# Allegro board TDI_KU5P_QSFP28_CXP_V001-20240805_1841.brd (continued)
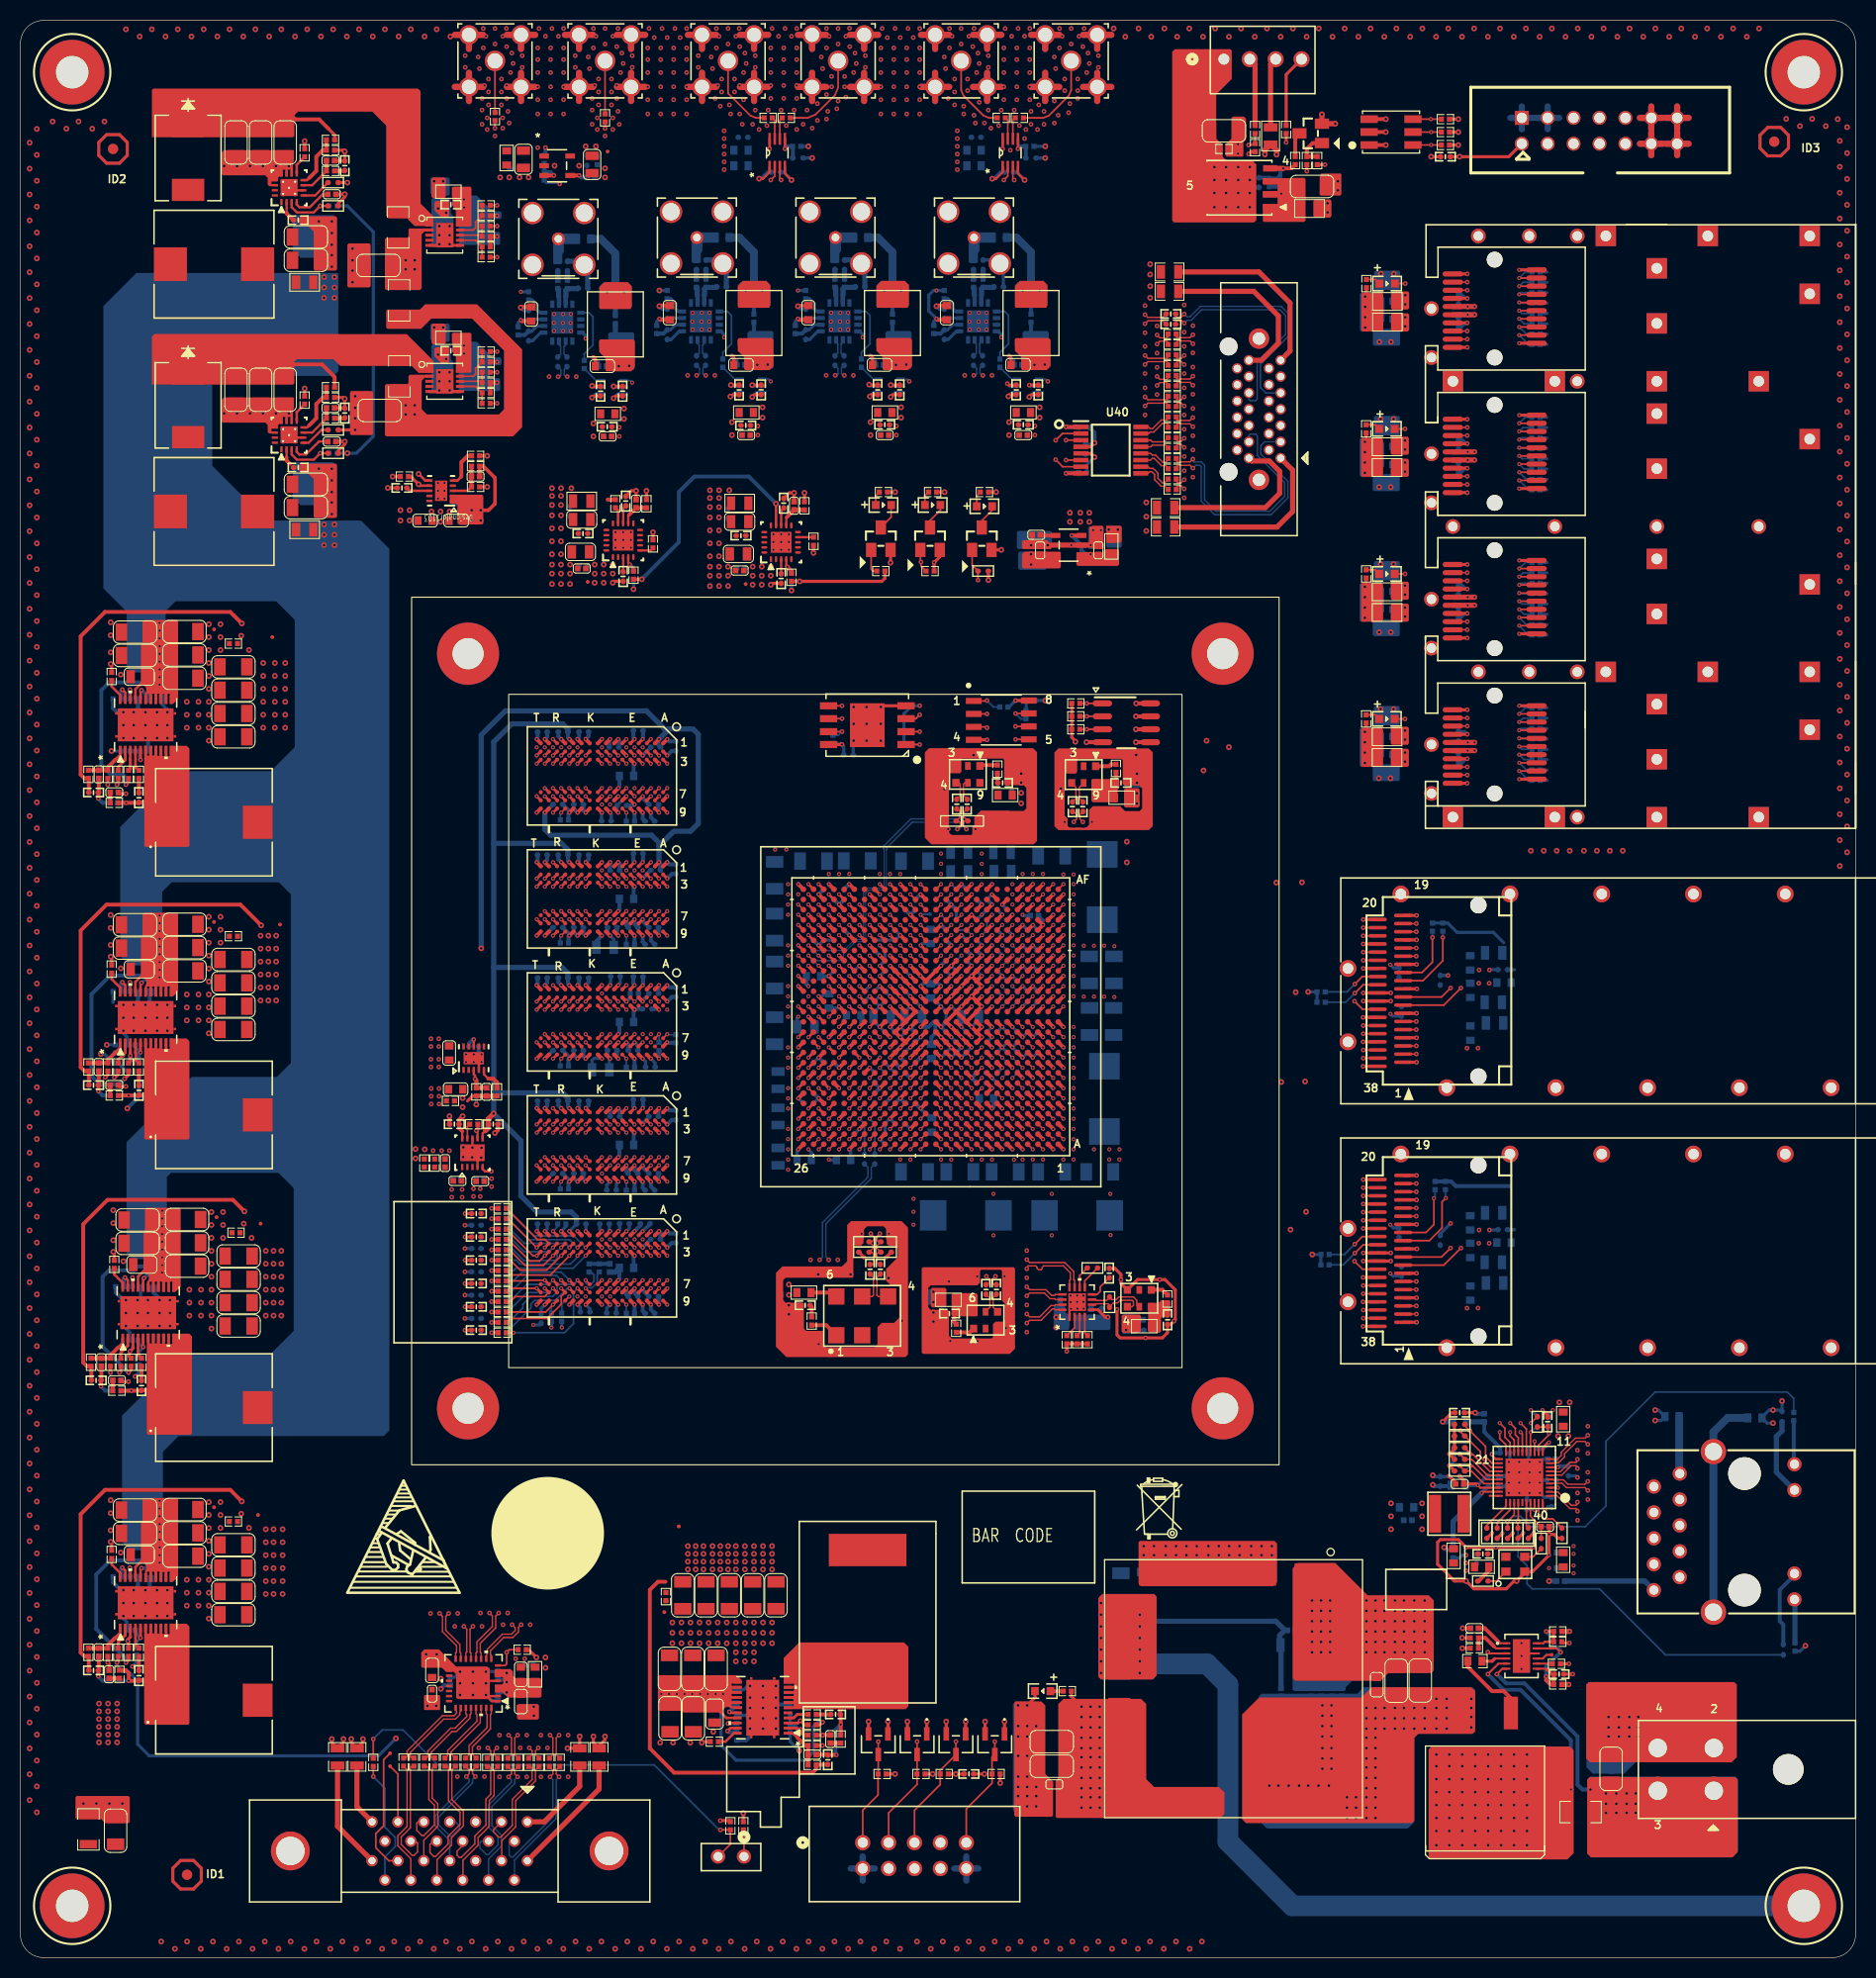
[diagram p0: board, top side]
## Nets (continued)
GND: C1.2(CAP1) C4.2 C5.2 C6.2(CAP1) C7.2(CAP1) C8.2(CAP1) C9.2 C10.2(CAP1) C11.2(CAP1) C12.2 C13.2(CAP1) C14.2(CAP1) C15.2(CAP1) C16.2 C17.2(CAP1) C18.2(CAP1) C19.2(CAP1) C20.2(CAP1) C21.2 C22.2 C23.2(CAP1) C24.2(CAP1) C29.2 C30.2 C31.2(CAP1) C32.2(CAP1) C33.2(CAP1) C34.2 C35.2 C36.2(CAP1) C37.2(CAP1) C38.2(CAP1) C41.2 C42.2 C43.2(CAP1) C44.2(CAP1) C45.2(CAP1) C56.2 C57.2 C58.2 C59.2 C60.2(CAP1) C61.2(CAP1) C62.2(CAP1) C63.2(CAP1) C64.2(CAP1) C65.2(CAP1) C66.2(CAP1) C67.2 C68.2 C69.2(CAP1) C70.2(CAP1) C71.2(CAP1) C72.2(CAP1) C73.2(CAP1) C74.2(CAP1) C75.2(CAP1) C76.2(CAP1) C77.2 C78.2(CAP1) C79.2(CAP1) C80.2(CAP1) C81.2(CAP1) C82.2(CAP1) C83.2(CAP1) C84.2(CAP1) C85.2(CAP1) C86.2 C87.2 C88.2(CAP1) C89.2(CAP1) C90.2(CAP1) C91.2(CAP1) C92.2(CAP1) C93.2(CAP1) C94.2(CAP1) C95.2(CAP1) C96.2(CAP1) C97.1(CAP2) C98.1(CAP2) C99.1(CAP2) C100.1(CAP2) C101.1(CAP2) C102.2(CAP1) C103.2(CAP1) C104.2(CAP1) C105.2(CAP1) C106.2(CAP1) C107.2 C108.2(CAP1) C109.2(CAP1) C110.2(CAP1) C111.2(CAP1) C112.2(CAP1) C113.2(CAP1) C114.2(CAP1) C115.2(CAP1) C116.2(CAP1) C117.2(CAP1) C118.2(CAP1) C119.2(CAP1) C120.2(CAP1) C121.2(CAP1) C122.2(CAP1) C123.1(CAP2) C124.1(CAP2) C125.1(CAP2) C126.1(CAP2) C127.1(CAP2) C128.2(CAP1) C129.2(CAP1) C130.2(CAP1) C131.2(CAP1) C132.2(CAP1) C133.2(CAP1) C134.2(CAP1) C135.2 C136.2 C137.2(CAP1) C138.2(CAP1) C139.2(CAP1) C140.2(CAP1) C141.2(CAP1) C142.2(CAP1) C143.2 C144.2 C145.2 C146.2 C147.2(CAP1) C148.2 C149.2(CAP1) C150.2(CAP1) C151.2(CAP1) C152.2(CAP1) C153.2(CAP1) C154.2(CAP1) C155.2 C156.2 C157.2 C158.2 C159.2(CAP1) C160.2(CAP1) C161.2(CAP1) C162.2 C163.2(CAP1) C164.2(CAP1) C165.2(CAP1) C166.2(CAP1) C167.2(CAP1) C168.2(CAP1) C169.2 C170.2 C171.2 C172.2 C173.2(CAP1) C174.2(CAP1) C175.2(CAP1) C176.2(CAP1) C177.2(CAP1) C178.2(CAP1) C179.2 C180.2 C181.2(CAP1) C182.2(CAP1) C183.2(CAP1) C184.2(CAP1) C185.2(CAP1) C186.2(CAP1) C187.2 C188.2 C189.2 C190.2 C191.2 C192.2(CAP1) C193.2(CAP1) C194.2(CAP1) C195.2(CAP1) C196.2(CAP1) C197.2(CAP1) C198.2 C199.2 C200.2 C201.2 C202.2(CAP1) C203.2(CAP1) C204.2(CAP1) C205.2(CAP1) C206.2(CAP1) C207.1(CAP2) C208.2(CAP1) C209.1(CAP2) C210.2(CAP1) C211.2(CAP1) C212.2(CAP1) C213.2(CAP1) C214.2(CAP1) C215.2 C216.2 C217.2 C218.2 C219.2(CAP1) C220.2(CAP1) C221.2(CAP1) C222.2(CAP1) C224.2 C225.2(CAP1) C226.2 C227.2(CAP1) C228.2 C229.2(CAP1) C230.2 C231.2(CAP1) C232.2 C233.2(CAP1) C234.2 C235.2(CAP1) C236.2 C237.2(CAP1) C238.2 C239.2(CAP1) C240.2(CAP1) C241.2 C242.2(CAP1) C243.2 C244.2(CAP1) C245.2 C246.2(CAP1) C247.2 C248.2 C249.2(CAP1) C250.2 C251.2(CAP1) C252.2 C253.2(CAP1) C254.2 C255.2(CAP1) C256.2 C257.2(CAP1) C258.2 C259.2(CAP1) C260.2 C261.2(CAP1) C262.2 C263.2(CAP1) C264.1(CAP2) C265.1(CAP2) C266.1(CAP2) C267.1(CAP2) C268.1(CAP2) C269.1(CAP2) C270.1(CAP2) C271.2(CAP1) C272.2(CAP1) C273.1(CAP2) C274.1(CAP2) C275.1(CAP2) C280.1(CAP2) C284.1(CAP2) C286.1(CAP2) C287.1(CAP2) C288.1(CAP2) C289.1(CAP2) C290.1(CAP2) C291.1(CAP2) C292.1(CAP2) C293.1(CAP2) C294.1(CAP2) C295.1(CAP2) C296.2(CAP1) C297.2(CAP1) C298.1(CAP2) C299.1(CAP2) C304.1(CAP2) C308.1(CAP2) C310.1(CAP2) C311.1(CAP2) C312.2(CAP1) C313.2 C314.2(CAP1) C315.2(CAP1) C316.2(CAP1) C317.2(CAP1) C318.2 C319.2(CAP1) C320.1(CAP2) C321.2 C322.2(CAP1) C323.2 C324.2 C325.2(CAP1) C326.2(CAP1) C327.2 C328.2(CAP1) C329.2(CAP1) C330.2(CAP1) C331.2 C332.2(CAP1) C333.2 C334.2(CAP1) C338.2(CAP1) C339.2(CAP1) C340.2(CAP1) C341.2(CAP1) C342.2(CAP1) C343.2(CAP1) C344.2(CAP1) C345.1(CAP2) C346.2(CAP1) C347.2(CAP1) C348.2(CAP1) C349.2(CAP1) C350.2(CAP1) C351.2(CAP1) C355.2(CAP1) C356.2(CAP1) C357.2(CAP1) C358.2(CAP1) C359.2(CAP1) C360.2(CAP1) C361.1(CAP2) C362.2(CAP1) C363.2(CAP1) C364.2(CAP1) C365.2(CAP1) C366.2(CAP1) C367.2(CAP1) C368.2 C369.2(CAP1) C370.2 C371.2 C372.2 C374.2 C375.2(CAP1) C376.2(CAP1) C377.2 C378.2(CAP1) C379.2 C380.2 C381.2 C383.2 C384.2(CAP1) C388.2(CAP1) C389.2(CAP1) C390.2(CAP1) C391.2(CAP1) C392.2(CAP1) C393.2(CAP1) C394.1(CAP2) C395.2(CAP1) C396.2(CAP1) C397.2(CAP1) C398.2(CAP1) C399.2(CAP1) C403.2(CAP1) C404.2(CAP1) C405.2(CAP1) C406.2(CAP1) C407.2(CAP1) C408.2(CAP1) C409.1(CAP2) C410.2(CAP1) C411.2(CAP1) C412.2(CAP1) C413.2(CAP1) C414.2(CAP1) C418.2(CAP1) C419.2(CAP1) C420.2(CAP1) C421.2(CAP1) C422.2(CAP1) C423.2(CAP1) C424.1(CAP2) C425.2(CAP1) C426.2(CAP1) C427.2(CAP1) C428.2(CAP1) C429.2(CAP1) C430.2 C431.2 C433.2 C434.2 C435.2 C436.2 C438.2 C439.2 C440.2(CAP1) C441.2(CAP1) C442.2 C443.2(CAP1) C444.2 C445.2(CAP1) C446.2(CAP1) C447.2 C448.2 C449.2 C450.1(CAP2) C451.2 C452.2(CAP1) C453.2 C454.2(CAP1) C455.2(CAP1) C456.2(CAP1) C457.2(CAP1) C458.2(CAP1) C459.1(CAP2) C468.2 C469.2 C470.1(CAP2) C472.2 C480.2 C481.2 C482.2(CAP1) C483.2 C484.2 C485.2 C486.2 C487.2 C488.2 C489.2 C490.2(CAP1) C491.1(CAP2) C492.2(CAP1) C493.2(CAP1) C494.2 C495.2 C496.2(CAP1) C497.2 C498.2 C499.2 C500.2 C501.2 C502.2 C503.2 C504.2(CAP1) C505.1(CAP2) C506.2(CAP1) C507.2(CAP1) C508.2(CAP1) C509.2(CAP1) C510.2 C511.2(CAP1) C512.2(CAP1) C513.2 C514.2(CAP1) C515.2(CAP1) C516.2 C517.2(CAP1) C518.2(CAP1) C519.2 C520.2 C521.2 C522.2(CAP1) C523.1(CAP2) C524.2(CAP1) C525.2(CAP1) C526.2 C527.2(CAP1) C530.2(CAP1) C531.2(CAP1) C532.2(CAP1) C533.2(CAP1) C534.1(CAP2) C535.2(CAP1) C536.2(CAP1) C537.2(CAP1) C538.1(CAP2) C539.1(CAP2) C540.1(CAP2) C541.1(CAP2) C542.2 C543.2(CAP1) C546.2(CAP1) D1.1 D2.1 D3.1 D4.1 DS9.2 J1.2 J1.10 J3.2 J3.4 J3.11 J3.12 J3.13 J3.14 J4.1(GND1) J4.4(GND2) J4.7(GND3) J4.13(GND4) J4.16(GND5) J4.19(GND6) J4.20(GND7) J4.23(GND8) J4.26(GND9) J4.32(GND10) J4.35(GND11) J4.38(GND12) J5.1(MH1) J5.2(MH2) J5.3(MH3) J5.4(MH4) J5.5(MH5) J5.6(MH6) J5.7(MH7) J5.8(MH8) J5.9(MH9) J5.10(MH10) J5.11(MH11) J5.12(MH12) J6.1(GND1) J6.4(GND2) J6.7(GND3) J6.13(GND4) J6.16(GND5) J6.19(GND6) J6.20(GND7) J6.23(GND8) J6.26(GND9) J6.32(GND10) J6.35(GND11) J6.38(GND12) J7.1(MH1) J7.2(MH2) J7.3(MH3) J7.4(MH4) J7.5(MH5) J7.6(MH6) J7.7(MH7) J7.8(MH8) J7.9(MH9) J7.10(MH10) J7.11(MH11) J7.12(MH12) J8.2 J8.4 J8.5 J9.2 J9.4 J9.5 J10.2 J10.4 J10.5 J11.2 J11.4 J11.5 J15.2(GND1) J15.3(GND2) J15.4(GND3) J15.5(GND4) J16.2(GND1) J16.3(GND2) J16.4(GND3) J16.5(GND4) J17.2(GND1) J17.3(GND2) J17.4(GND3) J17.5(GND4) J18.2(GND1) J18.3(GND2) J18.4(GND3) J18.5(GND4) J19.2(GND1) J19.3(GND2) J19.4(GND3) J19.5(GND4) J20.2(GND1) J20.3(GND2) J20.4(GND3) J20.5(GND4) J22.1 J22.2 J22.3 L2.1 L33.1 L34.1 L70.2 P1.1(SHIELD1) P1.2(SHIELD2) P1.3(SHIELD3) P1.4(SHIELD4) P1.5(SHIELD5) P1.6(SHIELD6) P1.7(SHIELD7) P1.8(SHIELD8) P1.9(SHIELD9) P1.10(SHIELD10) P1.11(SHIELD11) P1.12(SHIELD12) P1.13(SHIELD13) P1.14(SHIELD14) P1.15(SHIELD15) P1.16(SHIELD16) P1.17(SHIELD17) P1.18(SHIELD18) P1.19(SHIELD19) P1.20(SHIELD20) P1.21(SHIELD21) P1.22(SHIELD22) P1.23(SHIELD23) P1.24(SHIELD24) P1.25(SHIELD25) P1.26(SHIELD26) P1.27(SHIELD27) P1.28(SHIELD28) P1.29(SHIELD29) P1.30(SHIELD30) P1.31(SHIELD31) P1.32(SHIELD32) P1.33(SHIELD33) P1.34(SHIELD34) P1.35(SHIELD35) P1.36(SHIELD36) P1.37(SHIELD37) P1.38(SHIELD38) P1.39(SHIELD39) P1.40(SHIELD40) P1.41(SHIELD41) P1.42(SHIELD42) P1.43(SHIELD43) P1.44(SHIELD44) P1.45(SHIELD45) P1.46(SHIELD46) P1.A1(A_VEET_1) P1.A10(A_VEER_1) P1.A11(A_VEER_2) P1.A14(A_VEER_3) P1.A17(A_VEET_2) P1.A20(A_VEET_3) P1.B1(B_VEET_1) P1.B10(B_VEER_1) P1.B11(B_VEER_2) P1.B14(B_VEER_3) P1.B17(B_VEET_2) P1.B20(B_VEET_3) P1.C1(C_VEET_1) P1.C10(C_VEER_1) P1.C11(C_VEER_2) P1.C14(C_VEER_3) P1.C17(C_VEET_2) P1.C20(C_VEET_3) P1.D1(D_VEET_1) P1.D10(D_VEER_1) P1.D11(D_VEER_2) P1.D14(D_VEER_3) P1.D17(D_VEET_2) P1.D20(D_VEET_3) Q1.2(SOURCE) Q2.2(SOURCE) Q4.2(SOURCE) Q7.2(SOURCE) R5.2 R8.2 R11.2 R13.2 R15.2 R26.2 R32.1 R36.2 R37.2 R38.2 R39.1 R41.1 R43.1 R44.2 R45.2 R46.1 R47.1 R51.1 R52.1 R53.2 R54.1 R56.2 R57.1 R58.2 R59.1 R62.2 R63.2 R64.2 R65.1 R66.1 R69.1 R86.1 R96.2 R98.1 R171.2 R172.2 R174.1 R176.1 R178.1 R180.2 R182.2 R186.2 R188.2 R190.1 R192.1 R193.1 R194.2 R198.1 R201.1 R202.1 R204.1 R205.1 R206.2 R210.1 R211.1 R218.1 R219.2 R225.1 R226.2 R227.1 R229.1 R230.1 R231.2 R235.1 R236.1 R239.1 R241.1 R242.1 R243.2 R247.1 R248.1 R251.1 R254.1 R256.1 R257.2 R263.2 R267.1 R273.1 R275.2 R276.2 R277.2 R278.1 R279.1 R282.1 R283.1 R301.1 R303.1 R305.2 R306.1 R318.1 R319.1 R320.2 R321.1 R327.1 R328.1 R329.1 R334.1 R337.1 R339.2 R353.1 R354.1 R358.2 R363.2 R365.1 R366.1 R385.1 R386.1 R387.1 R389.2 R393.1 TP27.1(PIN1) TP29.1(PIN1) TP33.1(PIN1) TP35.1(PIN1) TP37.1(PIN1) U1.A1(GND0) U1.A2(GND3) U1.A5(GND6) U1.A6(GND7) U1.A8(GND9) U1.A11(GND1) U1.A16(GND2) U1.A21(GND4) U1.A26(GND5) U1.AA1(GND10) U1.AA2(GND12) U1.AA3(GND14) U1.AA6(GND15) U1.AA8(GND17) U1.AA16(GND11) U1.AA26(GND13) U1.AB3(GND20) U1.AB4(GND21) U1.AB8(GND23) U1.AB13(GND18) U1.AB23(GND19) U1.AC1(GND24) U1.AC2(GND26) U1.AC3(GND29) U1.AC6(GND30) U1.AC8(GND32) U1.AC9(GND33) U1.AC10(GND25) U1.AC20(GND27) U1.AC25(GND28) U1.AD3(GND36) U1.AD4(GND37) U1.AD5(GND38) U1.AD10(GND34) U1.AD17(GND35) U1.AE1(GND39) U1.AE2(GND43) U1.AE5(GND45) U1.AE6(GND46) U1.AE10(GND40) U1.AE14(GND41) U1.AE19(GND42) U1.AE24(GND44) U1.AF3(GND53) U1.AF4(GND54) U1.AF5(GND55) U1.AF8(GND56) U1.AF9(GND57) U1.AF10(GND48) U1.AF11(GND49) U1.AF16(GND50) U1.AF21(GND51) U1.AF26(GND52) U1.B3(GND61) U1.B4(GND62) U1.B5(GND63) U1.B8(GND64) U1.B13(GND58) U1.B18(GND59) U1.B23(GND60) U1.C1(GND65) U1.C2(GND68) U1.C5(GND70) U1.C6(GND71) U1.C8(GND73) U1.C10(GND66) U1.C15(GND67) U1.C25(GND69) U1.D3(GND76) U1.D4(GND77) U1.D5(GND78) U1.D8(GND79) U1.D12(GND74) U1.D22(GND75) U1.E1(GND80) U1.E2(GND82) U1.E3(GND83) U1.E6(GND84) U1.E8(GND86) U1.E19(GND81) U1.F3(GND91) U1.F4(GND92) U1.F8(GND94) U1.F11(GND87) U1.F16(GND88) U1.F21(GND89) U1.F26(GND90) U1.G1(GND95) U1.G2(GND97) U1.G3(GND99) U1.G6(GND100) U1.G8(GND102) U1.G13(GND96) U1.G23(GND98) U1.H3(GND104) U1.H4(GND105) U1.H8(GND107) U1.H20(GND103) U1.J1(GND108) U1.J2(GND110) U1.J3(GND111) U1.J6(GND112) U1.J8(GND114) U1.J17(GND109) U1.K3(GND120) U1.K4(GND121) U1.K8(GND122) U1.K12(GND115) U1.K14(GND116) U1.K16(GND117) U1.K19(GND118) U1.K24(GND119) U1.L1(GND128) U1.L2(GND137) U1.L3(GND140) U1.L6(GND141) U1.L8(GND143) U1.L11(GND130) U1.L13(GND132) U1.L15(GND134) U1.L17(GND136) U1.L21(GND138) U1.L26(GND139) U1.M3(GND155) U1.M4(GND156) U1.M8(GND158) U1.M10(GND145) U1.M12(GND147) U1.M14(GND149) U1.M16(GND151) U1.M23(GND154) U1.N1(GND160) U1.N2(GND168) U1.N3(GND171) U1.N6(GND172) U1.N8(GND174) U1.N11(GND162) U1.N15(GND164) U1.N17(GND166) U1.N20(GND169) U1.N25(GND170) U1.P3(GND183) U1.P4(GND184) U1.P8(GND186) U1.P10(GND176) U1.P12(GND178) U1.P14(VP) U1.P16(GND180) U1.R1(GND188) U1.R2(GND182) U1.R3(GND16) U1.R6(GND22) U1.R8(GND31) U1.R11(GND190) U1.R13(VN) U1.R15(GND192) U1.R17(GND194) U1.R19(GND153) U1.R24(GND8) U1.T3(GND123) U1.T4(GND124) U1.T8(GND125) U1.T10(GND47) U1.T12(GND85) U1.T13(DXN) U1.T14(DXP) U1.T16(GND101) U1.T21(GND106) U1.T26(GND113) U1.U1(GND126) U1.U2(GND142) U1.U3(GND144) U1.U6(GND146) U1.U8(GND148) U1.U11(GND127) U1.U13(GND129) U1.U15(GND131) U1.U17(GND133) U1.U18(GND135) U1.V3(GND165) U1.V4(GND167) U1.V8(GND173) U1.V10(GND150) U1.V12(GND152) U1.V14(GND157) U1.V16(GND159) U1.V20(GND161) U1.V25(GND163) U1.W1(GND175) U1.W2(GND179) U1.W3(GND185) U1.W6(GND187) U1.W8(GND189) U1.W11(RSVDGND) U1.W17(GND177) U1.W22(GND181) U1.Y3(GND72) U1.Y4(GND193) U1.Y8(GND93) U1.Y19(GND191) U2.4(GND) U2.9(EP) U3.4(GND) U4.4(GND) U4.5(A2) U4.6(A1) U4.7(A0) U5.A2(VSSQ1) U5.A8(VSSQ2) U5.B2(VSS1) U5.C9(VSSQ3) U5.D2(VSSQ4) U5.D8(VSSQ5) U5.E1(VSS2) U5.E3(VSSQ6) U5.E8(VSSQ7) U5.E9(VSS3) U5.F1(VSSQ8) U5.G8(VSS4) U5.H1(VSSQ9) U5.H9(VSSQ10) U5.K1(VSS5) U5.K9(VSS6) U5.M9(VSS7) U5.N1(VSS8) U5.T1(VSS9) U6.A2(VSSQ1) U6.A8(VSSQ2) U6.B2(VSS1) U6.C9(VSSQ3) U6.D2(VSSQ4) U6.D8(VSSQ5) U6.E1(VSS2) U6.E3(VSSQ6) U6.E8(VSSQ7) U6.E9(VSS3) U6.F1(VSSQ8) U6.G8(VSS4) U6.H1(VSSQ9) U6.H9(VSSQ10) U6.K1(VSS5) U6.K9(VSS6) U6.M9(VSS7) U6.N1(VSS8) U6.T1(VSS9) U7.A2(VSSQ1) U7.A8(VSSQ2) U7.B2(VSS1) U7.C9(VSSQ3) U7.D2(VSSQ4) U7.D8(VSSQ5) U7.E1(VSS2) U7.E3(VSSQ6) U7.E8(VSSQ7) U7.E9(VSS3) U7.F1(VSSQ8) U7.G8(VSS4) U7.H1(VSSQ9) U7.H9(VSSQ10) U7.K1(VSS5) U7.K9(VSS6) U7.M9(VSS7) U7.N1(VSS8) U7.T1(VSS9) U8.A2(VSSQ1) U8.A8(VSSQ2) U8.B2(VSS1) U8.C9(VSSQ3) U8.D2(VSSQ4) U8.D8(VSSQ5) U8.E1(VSS2) U8.E3(VSSQ6) U8.E8(VSSQ7) U8.E9(VSS3) U8.F1(VSSQ8) U8.G8(VSS4) U8.H1(VSSQ9) U8.H9(VSSQ10) U8.K1(VSS5) U8.K9(VSS6) U8.M9(VSS7) U8.N1(VSS8) U8.T1(VSS9) U9.A2(VSSQ1) U9.A8(VSSQ2) U9.B2(VSS1) U9.C9(VSSQ3) U9.D2(VSSQ4) U9.D8(VSSQ5) U9.E1(VSS2) U9.E3(VSSQ6) U9.E8(VSSQ7) U9.E9(VSS3) U9.F1(VSSQ8) U9.G8(VSS4) U9.H1(VSSQ9) U9.H9(VSSQ10) U9.K1(VSS5) U9.K9(VSS6) U9.M9(VSS7) U9.N1(VSS8) U9.T1(VSS9) U10.4(PGND) U10.8(GND) U10.11(THERMAL) U11.2(GND) U11.5(DIR) U12.2(GND) U12.5(DIR) U13.17(EPAD) U14.17(EPAD) U15.2(GND) U15.5(DIR) U16.2(GND) U16.5(DIR) U17.17(EPAD) U18.17(EPAD) U19.41(THERM_PAD) U20.2(GND) U21.23(EPAD) U22.23(EPAD) U23.8(GND) U23.18(GND_1) U23.21(PAD) U24.8(GND) U24.18(GND_1) U24.21(PAD) U25.23(EPAD) U26.23(EPAD) U27.23(EPAD) U28.4(GND) U28.11(PAD) U29.4(GND) U29.11(PAD) U30.2(GND) U31.2(GND) U34.6(AGND) U34.10(NC) U34.11(PGND) U34.12(PGND_2) U34.13(PGND_3) U34.14(NC_2) U34.17(EPAD) U34.18(VIA1) U34.19(VIA2) U34.20(VIA3) U34.21(VIA4) U34.22(VIA5) U35.5(GND) U35.6(ADDR_SEL) U35.11(EP_GND) U36.6(AGND) U36.10(NC) U36.11(PGND) U36.12(PGND_2) U36.13(PGND_3) U36.14(NC_2) U36.17(EPAD) U36.18(VIA1) U36.19(VIA2) U36.20(VIA3) U36.21(VIA4) U36.22(VIA5) U37.5(GND) U37.6(ADDR_SEL) U37.11(EP_GND) U38.1(GND) U38.17(EPAD) U39.3(GND) U40.5(GND) U41.4(GND) U42.4(GND) U43.1(GND) U43.2(GND_2) U43.5(GND_3) U43.17(GND_4) U43.18(GND_5) U43.33(GND_6) U111.2(QPI-1) U111.3(QPI-2) U111.4(QPI-3) X1.3(GND) X2.3(GND) X3.3(GND) X4.3(GND)
GND_EARTH: C460.1(CAP2) C471.2(CAP1) C472.1 MH2.1 R283.2 R395.1 U111.5(SHIELD1) U111.6(SHIELD2)
GND_FPGA_LAN: J12.17(SHELL_GND#17) J12.18(SHELL_GND#18) L34.2
VCC1V5_MGT: C354.2(CAP1) C357.1(CAP2) C358.1(CAP2) C359.1(CAP2) C360.1(CAP2) C367.1(CAP2) C376.1(CAP2) L40.2 L41.1 L42.1 R203.2 R210.2 R213.2 TP28.1(PIN1)
VCC1V8: C1.1(CAP2) C4.1 C5.1 C6.1(CAP2) C7.1(CAP2) C8.1(CAP2) C21.1 C22.1 C23.1(CAP2) C24.1(CAP2) C77.1 C271.1(CAP2) C272.1(CAP2) C296.1(CAP2) C297.1(CAP2) C312.1(CAP2) C402.2(CAP1) C405.1(CAP2) C406.1(CAP2) C407.1(CAP2) C408.1(CAP2) C430.1 C431.1 D1.2 D2.2 D3.2 D4.2 J1.4 L1.1 L3.2 L30.1 L44.2 R2.1 R3.1 R4.1 R9.1 R10.1 R12.1 R14.1 R16.1 R17.1 R18.1 R19.2 R20.2 R21.2 R22.2 R34.1 R35.1 R40.2 R42.2 R166.2 R175.2 R177.2 R179.2 R181.2 R214.1 R221.1 R240.2 R247.2 R250.2 TP34.1(PIN1) U1.AA11(VCCO1_0) U1.AD12(VCCO0_0) U1.C20(VCCO0_67) U1.D17(VCCO1_67) U1.G18(VCCO2_67) U1.Y9(VBATT) U2.8(VCC) U11.6(VCCB) U12.6(VCCB) U15.6(VCCB) U16.6(VCCB) U29.6(SS_CTRL) U29.9(IN) U29.10(IN_1)
VCC3V3: C9.1 C10.1(CAP2) C11.1(CAP2) C12.1 C13.1(CAP2) C14.1(CAP2) C15.1(CAP2) C16.1 C17.1(CAP2) C18.1(CAP2) C19.1(CAP2) C20.1(CAP2) C224.1 C225.1(CAP2) C232.1 C233.1(CAP2) C243.1 C244.1(CAP2) C248.1 C249.1(CAP2) C252.1 C253.1(CAP2) C258.1 C259.1(CAP2) C316.1(CAP2) C323.1 C417.2(CAP1) C420.1(CAP2) C421.1(CAP2) C422.1(CAP2) C423.1(CAP2) C435.1 C436.1 C446.1(CAP2) C480.1 C494.1 C509.1(CAP2) C510.1 C512.1(CAP2) C513.1 C515.1(CAP2) C516.1 C518.1(CAP2) C519.1 C520.1 C525.1(CAP2) C526.1 C527.1(CAP2) C531.1(CAP2) C533.1(CAP2) C534.2(CAP1) J3.1 J3.3 L4.1 L5.1 L6.1 L7.1 L8.1 L9.1 L10.1 L11.1 L12.1 L13.1 L14.1 L15.1 L16.1 L17.1 L31.1 L36.1 L37.1 L45.2 L48.1 L54.1 L55.1 L58.2 L59.2 L60.2 L61.2 L62.1 L63.2 L64.1 L66.1 L68.1 R6.1 R23.1 R24.1 R25.1 R27.1 R29.1 R30.1 R31.1 R102.1 R103.1 R104.1 R105.1 R106.1 R107.1 R108.1 R109.1 R110.1 R111.1 R112.1 R113.1 R114.1 R115.1 R116.1 R117.1 R118.1 R119.1 R120.1 R121.1 R122.1 R123.1 R124.1 R125.1 R126.1 R127.1 R128.1 R129.1 R130.1 R131.1 R132.1 R133.1 R134.1 R135.1 R136.1 R137.1 R138.1 R139.1 R140.1 R141.1 R142.2 R143.2 R144.2 R145.2 R167.2 R170.2 R183.2 R184.2 R185.1 R217.2 R220.1 R223.2 R252.2 R263.1 R269.2 R333.2 R356.1 R362.1 R367.1 R391.1 R779.1 R780.1 R781.1 TP36.1(PIN1) U1.AC15(VCCO0_84) U1.E9(VCCO0_86) U1.E14(VCCO0_87) U1.H10(VCCO1_86) U1.H15(VCCO1_87) U1.Y14(VCCO1_84) U3.8(VCC) U4.8(VS) U28.6(SS_CTRL) U28.7(EN) U28.9(IN) U28.10(IN_1) U40.4(VCC) U41.1(VCCA) U42.1(VCCA)
VCC5V: C457.1(CAP2) C458.1(CAP2) L65.1 L67.1 R282.2 TP41.1(PIN1) U31.5(VOUT)
VCC12V: C338.1(CAP2) C346.1(CAP2) C347.1(CAP2) C348.1(CAP2) C349.1(CAP2) C350.1(CAP2) C355.1(CAP2) C362.1(CAP2) C363.1(CAP2) C364.1(CAP2) C365.1(CAP2) C366.1(CAP2) C388.1(CAP2) C395.1(CAP2) C396.1(CAP2) C397.1(CAP2) C398.1(CAP2) C399.1(CAP2) C403.1(CAP2) C410.1(CAP2) C411.1(CAP2) C412.1(CAP2) C413.1(CAP2) C414.1(CAP2) C418.1(CAP2) C425.1(CAP2) C426.1(CAP2) C427.1(CAP2) C428.1(CAP2) C429.1(CAP2) C455.1(CAP2) C468.1 C469.1 C470.2(CAP1) C483.1 C498.1 L51.1 L52.1 L56.1 L69.1 R200.1 R284.1 TP43.1(PIN1) U21.12(VIN) U21.13(VIN_1) U21.14(VIN_2) U21.15(VIN_3) U21.16(VIN_4) U21.17(VIN_5) U21.19(VDD) U22.12(VIN) U22.13(VIN_1) U22.14(VIN_2) U22.15(VIN_3) U22.16(VIN_4) U22.17(VIN_5) U22.19(VDD) U25.12(VIN) U25.13(VIN_1) U25.14(VIN_2) U25.15(VIN_3) U25.16(VIN_4) U25.17(VIN_5) U25.19(VDD) U26.12(VIN) U26.13(VIN_1) U26.14(VIN_2) U26.15(VIN_3) U26.16(VIN_4) U26.17(VIN_5) U26.19(VDD) U27.12(VIN) U27.13(VIN_1) U27.14(VIN_2) U27.15(VIN_3) U27.16(VIN_4) U27.17(VIN_5) U27.19(VDD) U111.7(QPI+1) U111.8(QPI+2) U111.9(QPI+3) U111.10(THERM1)
VCC12V_IN: C460.2(CAP1) C461.1 C462.1 C463.2(CAP1) C464.2(CAP1) C465.2(CAP1) C466.1 C467.2(CAP1) C475.1 C476.1 C477.2(CAP1) Q5.S R287.2 R289.2 TP42.1(PIN1) U33.3(OUT) U111.11(THERM2) U111.12(BUS+1) U111.13(BUS+2) U111.14(BUS+3)
VCC12V_IN_CON: C473.1 C474.2(CAP1) J13.1(POWER#1) J13.3(POWER#3) R285.2 R288.2 R290.1 U33.6(VCC)
VCC_1V5_EN: R266.1 U22.2(EN)
VCC_1V5_GOOD: R212.2 U22.3(PGOOD)
VCC_1V8_EN: R253.1 U26.2(EN)
VCC_1V8_GOOD: R249.2 R255.2 R260.2 U26.3(PGOOD)
VCC_3V3_EN: R255.1 U27.2(EN)
VCC_3V3_GOOD: R261.2 R265.2 R268.2 U27.3(PGOOD)
VCCO_GOOD: R264.1 R265.1 R266.2
VDD10: C318.1 C321.1 C322.1(CAP2) L32.1 L35.1 L38.1
100M_N: C26.2(CAP1) U39.5(OUT-)
100M_P: C25.2(CAP1) U39.4(OUT+)
156M25_N: R330.2 U38.7(IN0_N) X4.5(CLKN)
156M25_P: R330.1 U38.6(IN0_P) X4.4(CLKP)
CHA_1V25_CXP1: C269.2(CAP1) C274.2(CAP1) C275.2(CAP1) C442.1 C443.1(CAP2) L19.2 L46.2 R149.2 U12.1(VCCA) U13.8(TEST0) U13.15(VCC)
CHA_1V25_CXP2: C267.2(CAP1) C270.2(CAP1) C273.2(CAP1) C444.1 C445.1(CAP2) L18.2 L47.2 R148.2 U11.1(VCCA) U14.8(TEST0) U14.15(VCC)
CHA_1V25_CXP3: C293.2(CAP1) C298.2(CAP1) C299.2(CAP1) C451.1 C452.1(CAP2) L25.2 L49.2 R159.2 U15.1(VCCA) U17.8(TEST0) U17.15(VCC)
CHA_1V25_CXP4: C291.2(CAP1) C294.2(CAP1) C295.2(CAP1) C453.1 C454.1(CAP2) L24.2 L50.2 R158.2 U16.1(VCCA) U18.8(TEST0) U18.15(VCC)
CHA_12V_FAN: C545.1(CAP2) C546.1(CAP2) J63.1(P1) Q6.5 Q6.6 Q6.7 Q6.8 R389.1 TP50.1(PIN1)
CHA_24V_1: C486.1 C487.1 C488.1 D5.1 R294.2 R295.2 TP46.1(PIN1) U35.1(SENSE1+)
CHA_24V_2: C501.1 C502.1 C503.1 D6.1 R309.2 R310.2 TP47.1(PIN1) U37.1(SENSE1+)
CHA_AGND: C2.2(CAP1) C3.2(CAP1) L2.2 U1.N13(GNDADC) U1.P13(VREFN) U1.R14(VREFP)
CHA_CXP1_TXLF: R155.2 U12.3(A)
CHA_CXP1_TXLF_1V8: U1.F20(IO_L10P_T1U_N6_QBC_AD4P_67) U12.4(B)
CHA_CXP2_TXLF: R154.2 U11.3(A)
CHA_CXP2_TXLF_1V8: U1.E20(IO_L10N_T1U_N7_QBC_AD4N_67) U11.4(B)
CHA_CXP3_TXLF: R165.2 U15.3(A)
CHA_CXP3_TXLF_1V8: U1.G20(IO_L9P_T1L_N4_AD12P_67) U15.4(B)
CHA_CXP4_TXLF: R164.2 U16.3(A)
CHA_CXP4_TXLF_1V8: U1.G21(IO_L9N_T1L_N5_AD12N_67) U16.4(B)
CHA_CXP24V_1_ALERT#: R304.2 U1.AA14(IO_L8P_HDGC_AD4P_84)
CHA_CXP24V_1_SCL: R300.2 U1.AE13(IO_L2P_AD10P_84)
CHA_CXP24V_1_SDA: R302.2 U1.AF13(IO_L2N_AD10N_84)
CHA_CXP24V_2_ALERT#: R317.2 U1.Y15(IO_L7P_HDGC_AD5P_84)
CHA_CXP24V_2_SCL: R314.2 U1.W14(IO_L10P_AD2P_84)
CHA_CXP24V_2_SDA: R316.2 U1.W15(IO_L10N_AD2N_84)
CHA_CXP_1V25: C432.2(CAP1) C433.1 C434.1 L46.1 L47.1 L49.1 L50.1 R270.1 R272.1 R273.2 TP38.1(PIN1) U29.1(OUT) U29.2(OUT_1)
CHA_CXP_1V25_EN: R278.2 U1.H19(IO_L7N_T1L_N1_QBC_AD13N_67) U29.7(EN)
CHA_CXP_24V_1: C264.2(CAP1) C265.2(CAP1) C266.2(CAP1) C268.2(CAP1) C489.1 L20.2 L21.2 R146.2 R147.2 R294.1 R308.2 U35.2(SENSE1-)
CHA_CXP_24V_2: C288.2(CAP1) C289.2(CAP1) C290.2(CAP1) C292.2(CAP1) C497.1 L26.2 L27.2 R156.2 R157.2 R308.1 R309.1 U37.2(SENSE1-)
CHA_CXP_24V_PWREN: R298.2 R315.2 U1.F19(IO_L8N_T1L_N3_AD5N_67)
CHA_DDR4_2V5: C133.1(CAP2) C134.1(CAP2) C159.1(CAP2) C160.1(CAP2) C173.1(CAP2) C174.1(CAP2) C175.1(CAP2) C176.1(CAP2) C207.2(CAP1) C219.1(CAP2) C220.1(CAP2) C437.2(CAP1) C438.1 C439.1 R87.1 R271.1 R274.1 R275.1 TP39.1(PIN1) U5.B1(VPP1) U5.R9(VPP2) U6.B1(VPP1) U6.R9(VPP2) U7.B1(VPP1) U7.R9(VPP2) U8.B1(VPP1) U8.R9(VPP2) U9.B1(VPP1) U9.R9(VPP2) U10.7(EN) U10.10(VIN) U28.1(OUT) U28.2(OUT_1)
CHA_DDR4_C1_VREF: C147.1(CAP2) C161.1(CAP2) C177.1(CAP2) C178.1(CAP2) C221.1(CAP2) C222.1(CAP2) U5.M1(VREFCA) U6.M1(VREFCA) U7.M1(VREFCA) U8.M1(VREFCA) U9.M1(VREFCA) U10.6(REFOUT)
CHA_DDR4_C1_VTT: C202.1(CAP2) C203.1(CAP2) C204.1(CAP2) C205.1(CAP2) C206.1(CAP2) C208.1(CAP2) C210.1(CAP2) C211.1(CAP2) C212.1(CAP2) C213.1(CAP2) C214.1(CAP2) C215.1 C216.1 R67.1 R70.2 R71.2 R72.2 R73.2 R74.2 R75.2 R76.2 R77.2 R78.2 R79.2 R80.2 R81.2 R82.2 R83.2 R84.2 R85.2 R88.2 R89.2 R90.2 R92.2 R93.2 R94.2 R95.2 R97.2 R99.2 U10.3(VO) U10.5(VOSEN)
CHA_DDR4_CLK1_N_200M: C40.2(CAP1) R48.1 R50.1 R52.2 TP10.1(PIN1) U1.W24(IO_L12N_T1U_N11_GC_A09_D25_65)
CHA_DDR4_CLK1_P_200M: C39.2(CAP1) R48.2 R49.1 R51.2 TP9.1(PIN1) U1.V24(IO_L12P_T1U_N10_GC_A08_D24_65)
CHA_DEBUG_LED0: Q2.1(GATE) R32.2 U1.F12(IO_L5N_HDGC_87)
CHA_FAN_FG: R391.2 R394.1 U1.J13(IO_L2P_AD14P_87)
CHA_FAN_PWM: R778.1 U1.H13(IO_L2N_AD14N_87)
CHA_FAN_PWREN: R392.2 U1.H12(IO_L1N_AD15N_87)
CHA_FPGA_DDR4_C1_A0: R70.1 U1.V21(IO_L4P_T0U_N6_DBC_AD7P_A24_65) U5.P3(A0) U6.P3(A0) U7.P3(A0) U8.P3(A0) U9.P3(A0)
CHA_FPGA_DDR4_C1_A1: R71.1 U1.U22(IO_L2N_T0L_N3_FWE_FCS2_B_65) U5.P7(A1) U6.P7(A1) U7.P7(A1) U8.P7(A1) U9.P7(A1)
CHA_FPGA_DDR4_C1_A2: R72.1 U1.Y26(IO_L8N_T1L_N3_AD5N_A17_65) U5.R3(A2) U6.R3(A2) U7.R3(A2) U8.R3(A2) U9.R3(A2)
CHA_FPGA_DDR4_C1_A3: R73.1 U1.W23(IO_L11N_T1U_N9_GC_A11_D27_65) U5.N7(A3) U6.N7(A3) U7.N7(A3) U8.N7(A3) U9.N7(A3)
CHA_FPGA_DDR4_C1_A4: R74.1 U1.V19(IO_L1N_T0L_N1_DBC_RS1_65) U5.N3(A4) U6.N3(A4) U7.N3(A4) U8.N3(A4) U9.N3(A4)
CHA_FPGA_DDR4_C1_A5: R75.1 U1.T20(IO_L3P_T0L_N4_AD15P_A26_65) U5.P8(A5) U6.P8(A5) U7.P8(A5) U8.P8(A5) U9.P8(A5)
CHA_FPGA_DDR4_C1_A6: R76.1 U1.Y22(IO_L7P_T1L_N0_QBC_AD13P_A18_65) U5.P2(A6) U6.P2(A6) U7.P2(A6) U8.P2(A6) U9.P2(A6)
CHA_FPGA_DDR4_C1_A7: R77.1 U1.P25(IO_L17P_T2U_N8_AD10P_D14_65) U5.R8(A7) U6.R8(A7) U7.R8(A7) U8.R8(A7) U9.R8(A7)
CHA_FPGA_DDR4_C1_A8: R78.1 U1.W20(IO_L6N_T0U_N11_AD6N_A21_65) U5.R2(A8) U6.R2(A8) U7.R2(A8) U8.R2(A8) U9.R2(A8)
CHA_FPGA_DDR4_C1_A9: R79.1 U1.P26(IO_L17N_T2U_N9_AD10N_D15_65) U5.R7(A9) U6.R7(A9) U7.R7(A9) U8.R7(A9) U9.R7(A9)
CHA_FPGA_DDR4_C1_A10: R80.1 U1.U20(IO_L3N_T0L_N5_AD15N_A27_65) U5.M3(A10/AP) U6.M3(A10/AP) U7.M3(A10/AP) U8.M3(A10/AP) U9.M3(A10/AP)
CHA_FPGA_DDR4_C1_A11: R81.1 U1.W19(IO_L6P_T0U_N10_AD6P_A20_65) U5.T2(A11) U6.T2(A11) U7.T2(A11) U8.T2(A11) U9.T2(A11)
CHA_FPGA_DDR4_C1_A12: R82.1 U1.V23(IO_L11P_T1U_N8_GC_A10_D26_65) U5.M7(A12/BC_N) U6.M7(A12/BC_N) U7.M7(A12/BC_N) U8.M7(A12/BC_N) U9.M7(A12/BC_N)
CHA_FPGA_DDR4_C1_A13: R83.1 U1.N24(IO_L15P_T2L_N4_AD11P_A02_D18_65) U5.T8(A13) U6.T8(A13) U7.T8(A13) U8.T8(A13) U9.T8(A13)
CHA_FPGA_DDR4_C1_ACT: R97.1 U1.Y23(IO_L7N_T1L_N1_QBC_AD13N_A19_65) U5.L3(ACT_B) U6.L3(ACT_B) U7.L3(ACT_B) U8.L3(ACT_B) U9.L3(ACT_B)
CHA_FPGA_DDR4_C1_ALERT: R67.2 R68.2 U1.P24(IO_L15N_T2L_N5_AD11N_A03_D19_65) U5.P9(ALERT_N) U6.P9(ALERT_N) U7.P9(ALERT_N) U8.P9(ALERT_N) U9.P9(ALERT_N)
CHA_FPGA_DDR4_C1_BA0: R84.1 U1.V22(IO_L4N_T0U_N7_DBC_AD7N_A25_65) U5.N2(BA0) U6.N2(BA0) U7.N2(BA0) U8.N2(BA0) U9.N2(BA0)
CHA_FPGA_DDR4_C1_BA1: R85.1 U1.T23(IO_L5N_T0U_N9_AD14N_A23_65) U5.N8(BA1) U6.N8(BA1) U7.N8(BA1) U8.N8(BA1) U9.N8(BA1)
CHA_FPGA_DDR4_C1_BG0: R88.1 U1.AA23(IO_T1U_N12_SMBALERT_65) U5.M2(BG0) U6.M2(BG0) U7.M2(BG0) U8.M2(BG0) U9.M2(BG0)
CHA_FPGA_DDR4_C1_CAS: R92.1 U1.U26(IO_L16P_T2U_N6_QBC_AD3P_A00_D16) U5.M8(CAS_N/A15) U6.M8(CAS_N/A15) U7.M8(CAS_N/A15) U8.M8(CAS_N/A15) U9.M8(CAS_N/A15)
CHA_FPGA_DDR4_C1_CK_N: R101.1 U1.W26(IO_L10N_T1U_N7_QBC_AD4N_A13_D29) U5.K8(CK_C) U6.K8(CK_C) U7.K8(CK_C) U8.K8(CK_C) U9.K8(CK_C)
CHA_FPGA_DDR4_C1_CK_P: R100.1 U1.W25(IO_L10P_T1U_N6_QBC_AD4P_A12_D28) U5.K7(CK_T) U6.K7(CK_T) U7.K7(CK_T) U8.K7(CK_T) U9.K7(CK_T)
CHA_FPGA_DDR4_C1_CKE: R95.1 U1.AA25(IO_L9N_T1L_N5_AD12N_A15_D31_65) U5.K2(CKE) U6.K2(CKE) U7.K2(CKE) U8.K2(CKE) U9.K2(CKE)
CHA_FPGA_DDR4_C1_CS: R89.1 U1.V26(IO_L16N_T2U_N7_QBC_AD3N_A01_D17) U5.L7(CS_B) U6.L7(CS_B) U7.L7(CS_B) U8.L7(CS_B) U9.L7(CS_B)
CHA_FPGA_DDR4_C1_D0: U1.AD24(IO_L5P_T0U_N8_AD14P_64) U5.G2(DQ0)
CHA_FPGA_DDR4_C1_D1: U1.AB25(IO_L2P_T0L_N2_64) U5.F7(DQ1)
CHA_FPGA_DDR4_C1_D2: U1.AD25(IO_L5N_T0U_N9_AD14N_64) U5.H3(DQ2)
CHA_FPGA_DDR4_C1_D3: U1.AC24(IO_L6N_T0U_N11_AD6N_64) U5.H7(DQ3)
CHA_FPGA_DDR4_C1_D4: U1.AF25(IO_L3N_T0L_N5_AD15N_64) U5.H2(DQ4)
CHA_FPGA_DDR4_C1_D5: U1.AB24(IO_L6P_T0U_N10_AD6P_64) U5.H8(DQ5)
CHA_FPGA_DDR4_C1_D6: U1.AF24(IO_L3P_T0L_N4_AD15P_64) U5.J3(DQ6)
CHA_FPGA_DDR4_C1_D7: U1.AB26(IO_L2N_T0L_N3_64) U5.J7(DQ7)
CHA_FPGA_DDR4_C1_D8: U1.AD21(IO_L11P_T1U_N8_GC_64) U5.A3(DQ8)
CHA_FPGA_DDR4_C1_D9: U1.AC22(IO_L9P_T1L_N4_AD12P_64) U5.B8(DQ9)
CHA_FPGA_DDR4_C1_D10: U1.AE23(IO_L8N_T1L_N3_AD5N_64) U5.C3(DQ10)
CHA_FPGA_DDR4_C1_D11: U1.AC23(IO_L9N_T1L_N5_AD12N_64) U5.C7(DQ11)
CHA_FPGA_DDR4_C1_D12: U1.AE21(IO_L11N_T1U_N9_GC_64) U5.C2(DQ12)
CHA_FPGA_DDR4_C1_D13: U1.AC21(IO_L12N_T1U_N11_GC_64) U5.C8(DQ13)
CHA_FPGA_DDR4_C1_D14: U1.AD23(IO_L8P_T1L_N2_AD5P_64) U5.D3(DQ14)
CHA_FPGA_DDR4_C1_D15: TP11.1(PIN1) U1.AB21(IO_L12P_T1U_N10_GC_64) U5.D7(DQ15)